# Altium PCB Mag256_9mm.PcbDoc (part 5 of 6)
Units mm, origin at the board's own origin, x right, y up, seen from the top; angles counter-clockwise.
Board outline 174.75 x 142 mm, 6 copper layers (L1 (SIG), L2 (GND), L3 (SIG), L4 (GND), L5 (PWR), L6 (SIG)), stack 1.597 mm thick; 756 components, 438 nets, 2517 pads, 2145 vias.
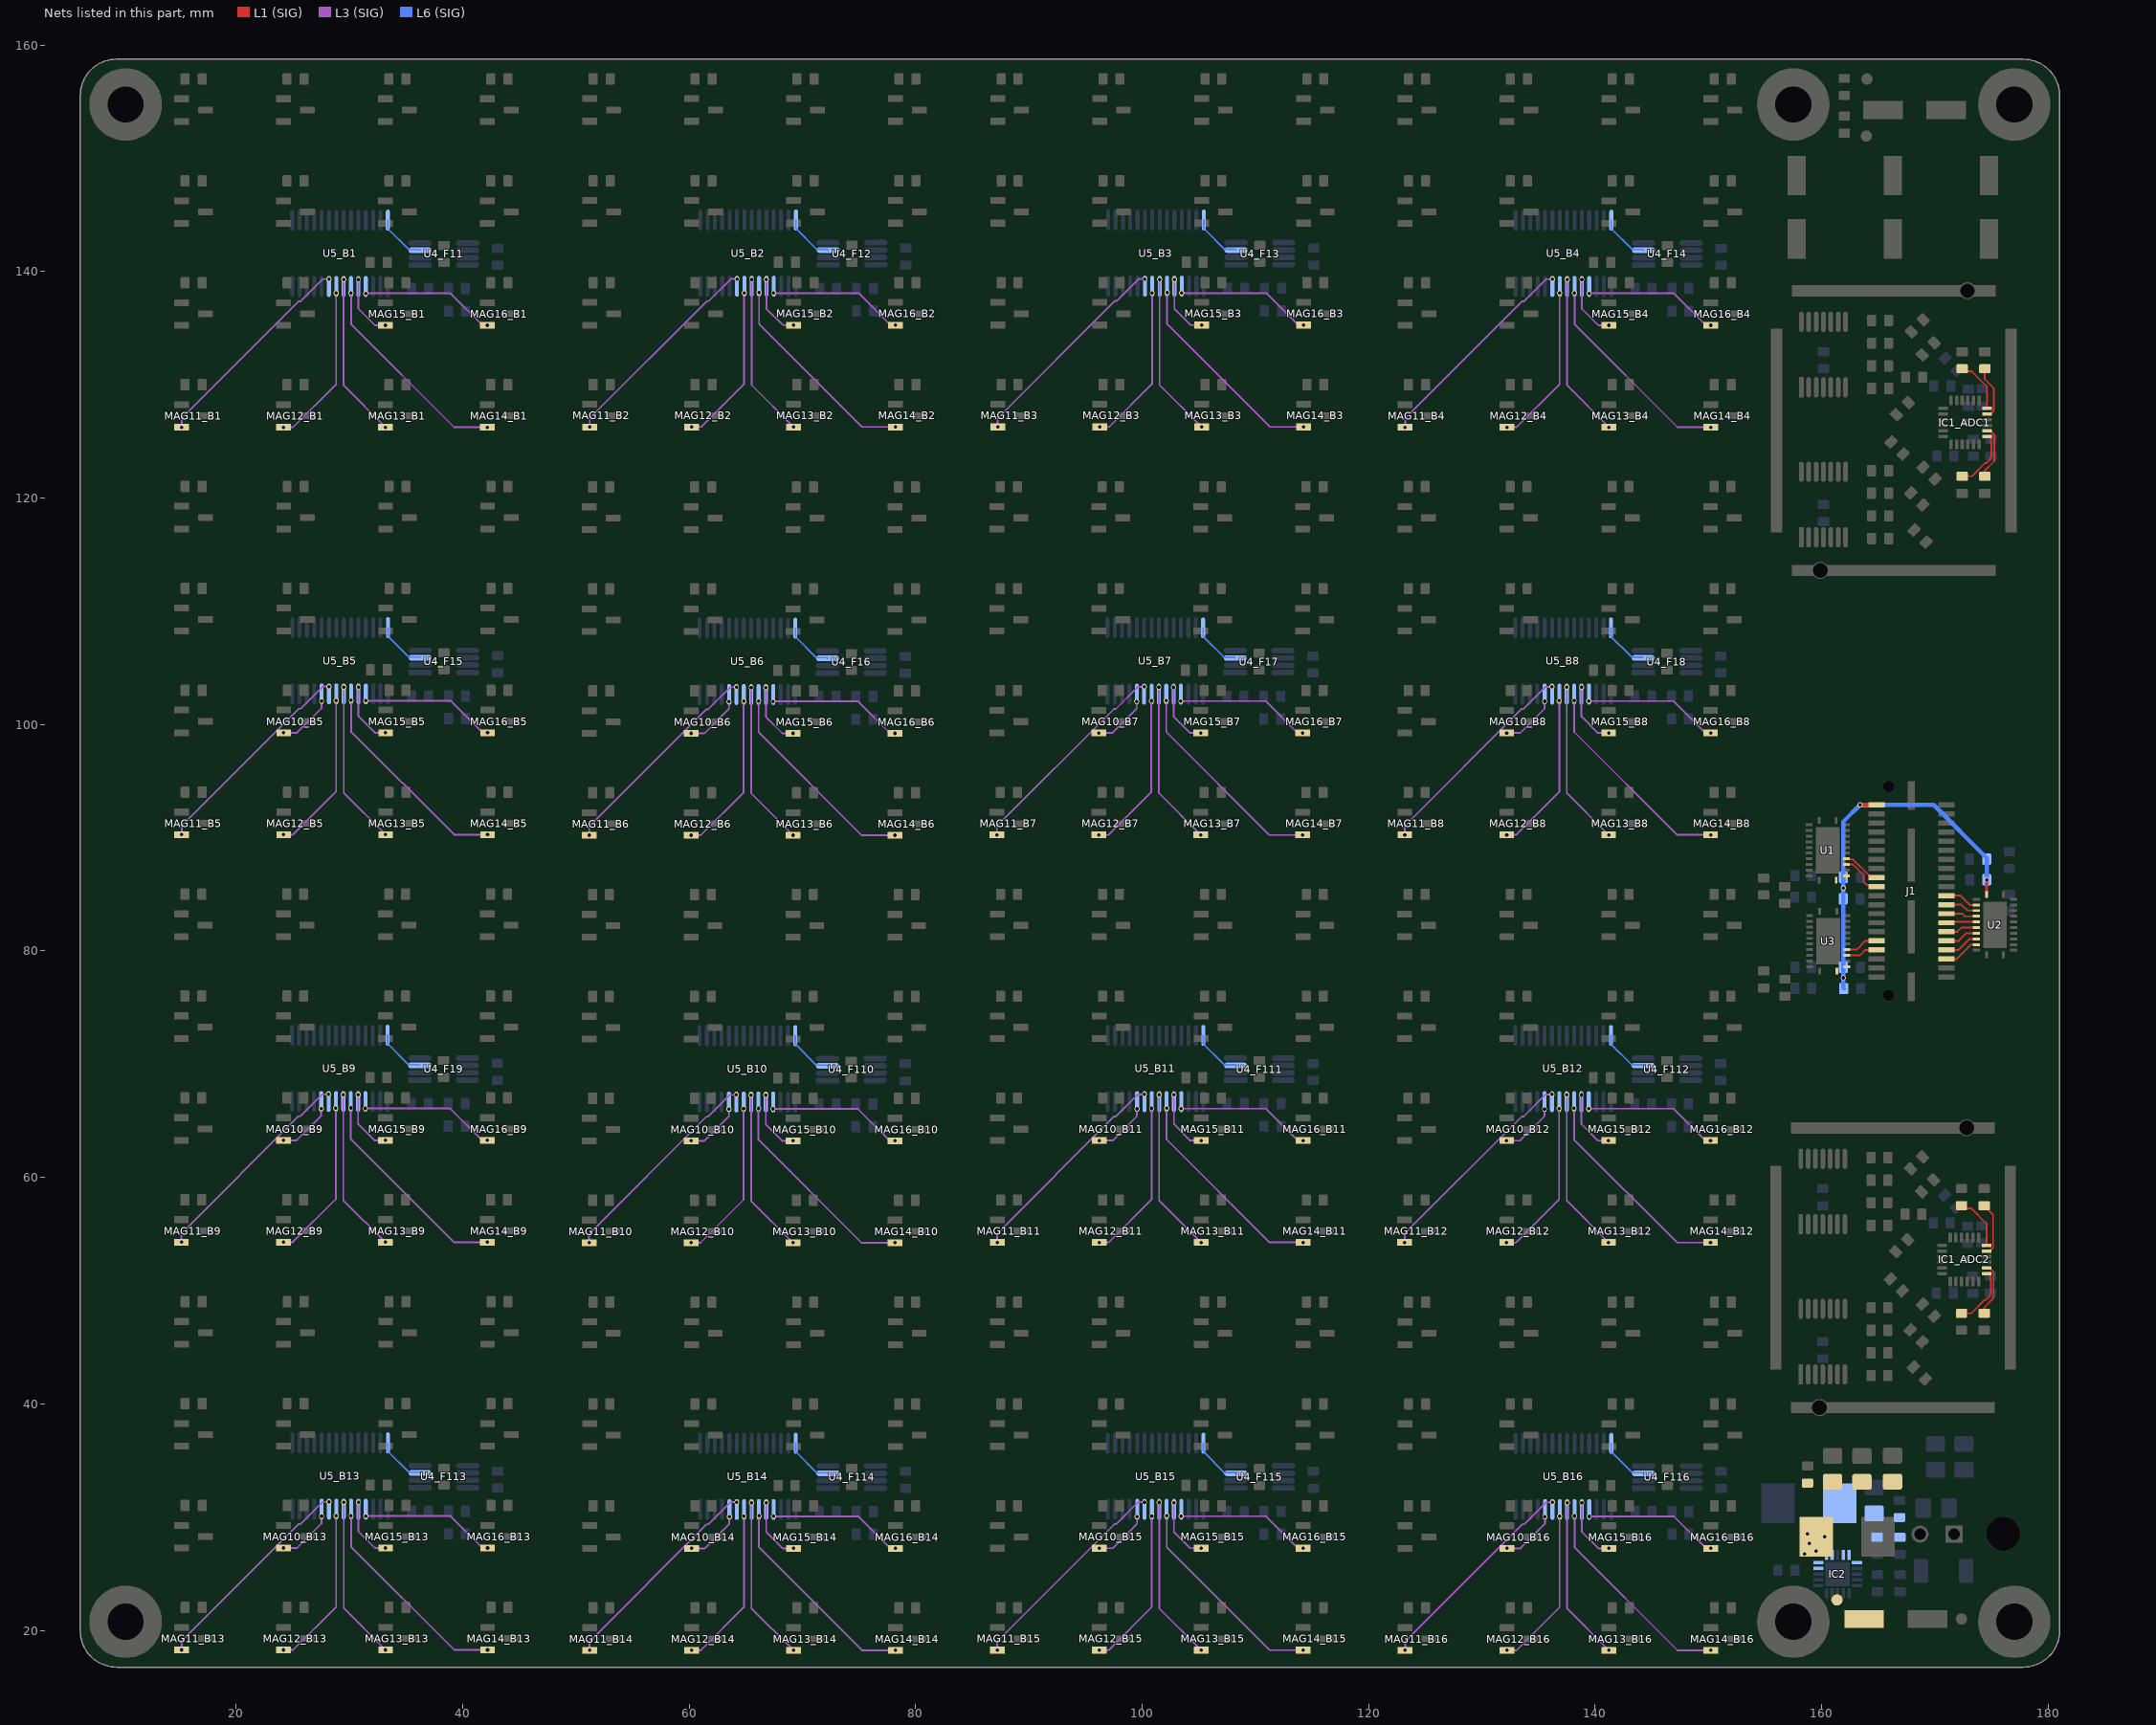
[diagram p9: the nets of this part, all layers, seen from the top]

## Via types
v1: diameter 0.45, hole 0.3, L1 (SIG) to L6 (SIG), 2060 vias
v2: diameter 0.5, hole 0.3, L1 (SIG) to L6 (SIG), 85 vias

## Nets (pads, with @x,y where several pads share a name; then routed paths per layer and width w, separated by ;. In a path a pad name is that pad's centre, name@x,y a point inside that pad or via, vN(x,y) a via of type N, cw(c..) or ccw(c..) an arc to the next point about the centre after c; other vN are vias at no path point) (continued)
S10_B5: MAG10_B5.2 U5_B5.10 | length 4.9
  L3 (SIG) w0.152: v1(24.206,99.27) 25.385,99.27 27.547,101.432 v1(27.547,102.066)
S10_B6: MAG10_B6.2 U5_B6.10 | length 4.9
  L3 (SIG) w0.152: v1(60.183,99.215) 61.362,99.215 63.524,101.377 v1(63.524,102.011)
S10_B7: MAG10_B7.2 U5_B7.10 | length 4.9
  L3 (SIG) w0.152: v1(96.179,99.246) 97.358,99.246 99.52,101.409 v1(99.52,102.042)
S10_B8: MAG10_B8.2 U5_B8.10 | length 4.9
  L3 (SIG) w0.152: v1(132.192,99.251) 133.37,99.251 135.532,101.413 v1(135.532,102.047)
S10_B9: MAG10_B9.2 U5_B9.10 | length 4.9
  L3 (SIG) w0.152: v1(24.173,63.27) 25.352,63.27 27.514,65.432 v1(27.514,66.066)
S10_B10: MAG10_B10.2 U5_B10.10 | length 4.9
  L3 (SIG) w0.152: v1(60.174,63.227) 61.353,63.227 63.515,65.389 v1(63.515,66.023)
S10_B11: MAG10_B11.2 U5_B11.10 | length 4.9
  L3 (SIG) w0.152: v1(96.205,63.257) 97.384,63.257 99.546,65.419 v1(99.546,66.052)
S10_B12: MAG10_B12.2 U5_B12.10 | length 4.9
  L3 (SIG) w0.152: v1(132.186,63.251) 133.365,63.251 135.527,65.413 v1(135.527,66.046)
S10_B13: MAG10_B13.2 U5_B13.10 | length 4.9
  L3 (SIG) w0.152: v1(24.205,27.271) 25.384,27.271 27.546,29.433 v1(27.546,30.067)
S10_B14: MAG10_B14.2 U5_B14.10 | length 4.9
  L3 (SIG) w0.152: v1(60.212,27.241) 61.39,27.241 63.553,29.403 v1(63.553,30.037)
S10_B15: MAG10_B15.2 U5_B15.10 | length 4.9
  L3 (SIG) w0.152: v1(96.211,27.249) 97.389,27.249 99.552,29.411 v1(99.552,30.045)
S10_B16: MAG10_B16.2 U5_B16.10 | length 4.9
  L3 (SIG) w0.152: v1(132.224,27.234) 133.403,27.234 135.565,29.396 v1(135.565,30.03)
S11_B1: MAG11_B1.2 U5_B1.9 | length 18.9
  L3 (SIG) w0.152: v1(15.2,126.25) 15.2,127.035 25.539,137.374 25.696,137.374 27.647,139.325 v1(28.198,139.325)
S11_B2: MAG11_B2.2 U5_B2.9 | length 18.9
  L3 (SIG) w0.152: v1(51.229,126.268) 51.229,127.053 61.567,137.392 61.724,137.392 63.675,139.342 v1(64.227,139.342)
S11_B3: MAG11_B3.2 U5_B3.9 | length 18.9
  L3 (SIG) w0.152: v1(87.248,126.27) 87.248,127.055 97.586,137.393 97.743,137.393 99.694,139.344 v1(100.246,139.344)
S11_B4: MAG11_B4.2 U5_B4.9 | length 18.9
  L3 (SIG) w0.152: v1(123.223,126.25) 123.223,127.035 133.562,137.374 133.719,137.374 135.67,139.325 v1(136.221,139.325)
S11_B5: MAG11_B5.2 U5_B5.9 | length 18.9
  L3 (SIG) w0.152: v1(15.206,90.27) 15.206,91.055 25.545,101.394 25.702,101.394 27.653,103.345 v1(28.204,103.345)
S11_B6: MAG11_B6.2 U5_B6.9 | length 18.9
  L3 (SIG) w0.152: v1(51.183,90.215) 51.183,91 61.522,101.339 61.679,101.339 63.63,103.29 v1(64.181,103.29)
S11_B7: MAG11_B7.2 U5_B7.9 | length 18.9
  L3 (SIG) w0.152: v1(87.179,90.246) 87.179,91.032 97.518,101.37 97.675,101.37 99.626,103.321 v1(100.177,103.321)
S11_B8: MAG11_B8.2 U5_B8.9 | length 18.9
  L3 (SIG) w0.152: v1(123.192,90.251) 123.192,91.036 133.53,101.375 133.687,101.375 135.638,103.326 v1(136.19,103.326)
S11_B9: MAG11_B9.2 U5_B9.9 | length 18.9
  L3 (SIG) w0.152: v1(15.173,54.27) 15.173,55.055 25.512,65.394 25.669,65.394 27.62,67.345 v1(28.171,67.345)
S11_B10: MAG11_B10.2 U5_B10.9 | length 18.9
  L3 (SIG) w0.152: v1(51.174,54.227) 51.174,55.012 61.513,65.351 61.67,65.351 63.621,67.302 v1(64.172,67.302)
S11_B11: MAG11_B11.2 U5_B11.9 | length 18.9
  L3 (SIG) w0.152: v1(87.205,54.257) 87.205,55.042 97.544,65.381 97.701,65.381 99.652,67.331 v1(100.203,67.331)
S11_B12: MAG11_B12.2 U5_B12.9 | length 18.9
  L3 (SIG) w0.152: v1(123.186,54.251) 123.186,55.036 133.525,65.374 133.682,65.374 135.633,67.325 v1(136.184,67.325)
S11_B13: MAG11_B13.2 U5_B13.9 | length 18.9
  L3 (SIG) w0.152: v1(15.205,18.271) 15.205,19.056 25.544,29.395 25.701,29.395 27.652,31.346 v1(28.203,31.346)
S11_B14: MAG11_B14.2 U5_B14.9 | length 18.9
  L3 (SIG) w0.152: v1(51.212,18.241) 51.212,19.026 61.55,29.365 61.707,29.365 63.658,31.315 v1(64.21,31.315)
S11_B15: MAG11_B15.2 U5_B15.9 | length 18.9
  L3 (SIG) w0.152: v1(87.211,18.249) 87.211,19.034 97.549,29.373 97.706,29.373 99.657,31.324 v1(100.209,31.324)
S11_B16: MAG11_B16.2 U5_B16.9 | length 18.9
  L3 (SIG) w0.152: v1(123.224,18.234) 123.224,19.019 133.563,29.358 133.72,29.358 135.671,31.308 v1(136.222,31.308)
S12_B1: MAG12_B1.2 U5_B1.8 | length 14.2
  L3 (SIG) w0.152: v1(24.2,126.25) 25.035,126.25 28.833,130.048 v1(28.833,138.09)
S12_B2: MAG12_B2.2 U5_B2.8 | length 14.2
  L3 (SIG) w0.152: v1(60.229,126.268) 61.064,126.268 64.862,130.066 v1(64.862,138.108)
S12_B3: MAG12_B3.2 U5_B3.8 | length 14.2
  L3 (SIG) w0.152: v1(96.248,126.27) 97.083,126.27 100.881,130.067 v1(100.881,138.11)
S12_B4: MAG12_B4.2 U5_B4.8 | length 14.2
  L3 (SIG) w0.152: v1(132.223,126.25) 133.058,126.25 136.856,130.048 v1(136.856,138.09)
S12_B5: MAG12_B5.2 U5_B5.8 | length 14.2
  L3 (SIG) w0.152: v1(24.206,90.27) 25.041,90.27 28.839,94.068 v1(28.839,102.11)
S12_B6: MAG12_B6.2 U5_B6.8 | length 14.2
  L3 (SIG) w0.152: v1(60.183,90.215) 61.019,90.215 64.817,94.013 v1(64.817,102.055)
S12_B7: MAG12_B7.2 U5_B7.8 | length 14.2
  L3 (SIG) w0.152: v1(96.179,90.246) 97.014,90.246 100.812,94.044 v1(100.812,102.087)
S12_B8: MAG12_B8.2 U5_B8.8 | length 14.2
  L3 (SIG) w0.152: v1(132.192,90.251) 133.027,90.251 136.825,94.049 v1(136.825,102.091)
S12_B9: MAG12_B9.2 U5_B9.8 | length 14.2
  L3 (SIG) w0.152: v1(24.173,54.27) 25.008,54.27 28.806,58.068 v1(28.806,66.11)
S12_B10: MAG12_B10.2 U5_B10.8 | length 14.2
  L3 (SIG) w0.152: v1(60.174,54.227) 61.009,54.227 64.807,58.025 v1(64.807,66.067)
S12_B11: MAG12_B11.2 U5_B11.8 | length 14.2
  L3 (SIG) w0.152: v1(96.205,54.257) 97.04,54.257 100.838,58.055 v1(100.838,66.097)
S12_B12: MAG12_B12.2 U5_B12.8 | length 14.2
  L3 (SIG) w0.152: v1(132.186,54.251) 133.021,54.251 136.819,58.048 v1(136.819,66.091)
S12_B13: MAG12_B13.2 U5_B13.8 | length 14.2
  L3 (SIG) w0.152: v1(24.205,18.271) 25.04,18.271 28.838,22.069 v1(28.838,30.111)
S12_B14: MAG12_B14.2 U5_B14.8 | length 14.2
  L3 (SIG) w0.152: v1(60.212,18.241) 61.047,18.241 64.845,22.039 v1(64.845,30.081)
S12_B15: MAG12_B15.2 U5_B15.8 | length 14.2
  L3 (SIG) w0.152: v1(96.211,18.249) 97.046,18.249 100.844,22.047 v1(100.844,30.089)
S12_B16: MAG12_B16.2 U5_B16.8 | length 14.2
  L3 (SIG) w0.152: v1(132.224,18.234) 133.059,18.234 136.857,22.032 v1(136.857,30.074)
S13_B1: MAG13_B1.2 U5_B1.7 | length 14.6
  L3 (SIG) w0.152: v1(29.499,139.285) 29.499,129.951 v1(33.2,126.25)
S13_B2: MAG13_B2.2 U5_B2.7 | length 14.6
  L3 (SIG) w0.152: v1(65.528,139.302) 65.528,129.968 v1(69.229,126.268)
S13_B3: MAG13_B3.2 U5_B3.7 | length 14.6
  L3 (SIG) w0.152: v1(101.547,139.304) 101.547,129.97 v1(105.248,126.27)
S13_B4: MAG13_B4.2 U5_B4.7 | length 14.6
  L3 (SIG) w0.152: v1(137.522,139.285) 137.522,129.951 v1(141.223,126.25)
S13_B5: MAG13_B5.2 U5_B5.7 | length 14.6
  L3 (SIG) w0.152: v1(29.505,103.305) 29.505,93.971 v1(33.206,90.27)
S13_B6: MAG13_B6.2 U5_B6.7 | length 14.6
  L3 (SIG) w0.152: v1(65.483,103.25) 65.483,93.916 v1(69.183,90.215)
S13_B7: MAG13_B7.2 U5_B7.7 | length 14.6
  L3 (SIG) w0.152: v1(101.478,103.281) 101.478,93.947 v1(105.179,90.246)
S13_B8: MAG13_B8.2 U5_B8.7 | length 14.6
  L3 (SIG) w0.152: v1(137.491,103.286) 137.491,93.952 v1(141.192,90.251)
S13_B9: MAG13_B9.2 U5_B9.7 | length 14.6
  L3 (SIG) w0.152: v1(29.472,67.305) 29.472,57.971 v1(33.173,54.27)
S13_B10: MAG13_B10.2 U5_B10.7 | length 14.6
  L3 (SIG) w0.152: v1(65.473,67.262) 65.473,57.928 v1(69.174,54.227)
S13_B11: MAG13_B11.2 U5_B11.7 | length 14.6
  L3 (SIG) w0.152: v1(101.504,67.291) 101.504,57.957 v1(105.205,54.257)
S13_B12: MAG13_B12.2 U5_B12.7 | length 14.6
  L3 (SIG) w0.152: v1(137.485,67.285) 137.485,57.951 v1(141.186,54.251)
S13_B13: MAG13_B13.2 U5_B13.7 | length 14.6
  L3 (SIG) w0.152: v1(29.504,31.306) 29.504,21.972 v1(33.205,18.271)
S13_B14: MAG13_B14.2 U5_B14.7 | length 14.6
  L3 (SIG) w0.152: v1(65.511,31.276) 65.511,21.942 v1(69.212,18.241)
S13_B15: MAG13_B15.2 U5_B15.7 | length 14.6
  L3 (SIG) w0.152: v1(101.51,31.284) 101.51,21.95 v1(105.211,18.249)
S13_B16: MAG13_B16.2 U5_B16.7 | length 14.6
  L3 (SIG) w0.152: v1(137.523,31.268) 137.523,21.935 v1(141.224,18.234)
S14_B1: MAG14_B1.2 U5_B1.6 | length 18.6
  L3 (SIG) w0.152: v1(30.156,138.117) 30.156,135.344 39.25,126.25 v1(42.2,126.25)
S14_B2: MAG14_B2.2 U5_B2.6 | length 18.6
  L3 (SIG) w0.152: v1(66.185,138.135) 66.185,135.361 75.279,126.268 v1(78.229,126.268)
S14_B3: MAG14_B3.2 U5_B3.6 | length 18.6
  L3 (SIG) w0.152: v1(102.204,138.136) 102.204,135.363 111.298,126.27 v1(114.248,126.27)
S14_B4: MAG14_B4.2 U5_B4.6 | length 18.6
  L3 (SIG) w0.152: v1(138.179,138.117) 138.179,135.344 147.273,126.25 v1(150.223,126.25)
S14_B5: MAG14_B5.2 U5_B5.6 | length 18.6
  L3 (SIG) w0.152: v1(30.162,102.137) 30.162,99.364 39.256,90.27 v1(42.206,90.27)
S14_B6: MAG14_B6.2 U5_B6.6 | length 18.6
  L3 (SIG) w0.152: v1(66.14,102.082) 66.14,99.309 75.233,90.215 v1(78.183,90.215)
S14_B7: MAG14_B7.2 U5_B7.6 | length 18.6
  L3 (SIG) w0.152: v1(102.135,102.113) 102.135,99.34 111.229,90.246 v1(114.179,90.246)
S14_B8: MAG14_B8.2 U5_B8.6 | length 18.6
  L3 (SIG) w0.152: v1(138.148,102.118) 138.148,99.345 147.242,90.251 v1(150.192,90.251)
S14_B9: MAG14_B9.2 U5_B9.6 | length 18.6
  L3 (SIG) w0.152: v1(30.129,66.137) 30.129,63.364 39.223,54.27 v1(42.173,54.27)
S14_B10: MAG14_B10.2 U5_B10.6 | length 18.6
  L3 (SIG) w0.152: v1(66.13,66.094) 66.13,63.321 75.224,54.227 v1(78.174,54.227)
S14_B11: MAG14_B11.2 U5_B11.6 | length 18.6
  L3 (SIG) w0.152: v1(102.162,66.124) 102.162,63.35 111.255,54.257 v1(114.205,54.257)
S14_B12: MAG14_B12.2 U5_B12.6 | length 18.6
  L3 (SIG) w0.152: v1(138.142,66.117) 138.142,63.344 147.236,54.251 v1(150.186,54.251)
S14_B13: MAG14_B13.2 U5_B13.6 | length 18.6
  L3 (SIG) w0.152: v1(30.161,30.138) 30.161,27.365 39.255,18.271 v1(42.205,18.271)
S14_B14: MAG14_B14.2 U5_B14.6 | length 18.6
  L3 (SIG) w0.152: v1(66.168,30.108) 66.168,27.334 75.262,18.241 v1(78.212,18.241)
S14_B15: MAG14_B15.2 U5_B15.6 | length 18.6
  L3 (SIG) w0.152: v1(102.167,30.116) 102.167,27.343 111.261,18.249 v1(114.211,18.249)
S14_B16: MAG14_B16.2 U5_B16.6 | length 18.6
  L3 (SIG) w0.152: v1(138.18,30.101) 138.18,27.327 147.274,18.234 v1(150.224,18.234)
S15_B1: MAG15_B1.2 U5_B1.5 | length 5.6
  L3 (SIG) w0.152: v1(30.799,139.276) 30.799,136.701 32.25,135.25 v1(33.2,135.25)
S15_B2: MAG15_B2.2 U5_B2.5 | length 5.6
  L3 (SIG) w0.152: v1(66.827,139.293) 66.827,136.719 68.279,135.268 v1(69.229,135.268)
S15_B3: MAG15_B3.2 U5_B3.5 | length 5.6
  L3 (SIG) w0.152: v1(102.846,139.295) 102.846,136.721 104.298,135.27 v1(105.248,135.27)
S15_B4: MAG15_B4.2 U5_B4.5 | length 5.6
  L3 (SIG) w0.152: v1(138.822,139.276) 138.822,136.701 140.273,135.25 v1(141.223,135.25)
S15_B5: MAG15_B5.2 U5_B5.5 | length 5.6
  L3 (SIG) w0.152: v1(30.805,103.296) 30.805,100.721 32.256,99.27 v1(33.206,99.27)
S15_B6: MAG15_B6.2 U5_B6.5 | length 5.6
  L3 (SIG) w0.152: v1(66.782,103.241) 66.782,100.666 68.233,99.215 v1(69.183,99.215)
S15_B7: MAG15_B7.2 U5_B7.5 | length 5.6
  L3 (SIG) w0.152: v1(102.778,103.272) 102.778,100.698 104.229,99.246 v1(105.179,99.246)
S15_B8: MAG15_B8.2 U5_B8.5 | length 5.6
  L3 (SIG) w0.152: v1(138.79,103.277) 138.79,100.702 140.242,99.251 v1(141.192,99.251)
S15_B9: MAG15_B9.2 U5_B9.5 | length 5.6
  L3 (SIG) w0.152: v1(30.772,67.296) 30.772,64.721 32.223,63.27 v1(33.173,63.27)
S15_B10: MAG15_B10.2 U5_B10.5 | length 5.6
  L3 (SIG) w0.152: v1(66.773,67.253) 66.773,64.678 68.224,63.227 v1(69.174,63.227)
S15_B11: MAG15_B11.2 U5_B11.5 | length 5.6
  L3 (SIG) w0.152: v1(102.804,67.282) 102.804,64.708 104.255,63.257 v1(105.205,63.257)
S15_B12: MAG15_B12.2 U5_B12.5 | length 5.6
  L3 (SIG) w0.152: v1(138.785,67.276) 138.785,64.702 140.236,63.251 v1(141.186,63.251)
S15_B13: MAG15_B13.2 U5_B13.5 | length 5.6
  L3 (SIG) w0.152: v1(30.804,31.297) 30.804,28.722 32.255,27.271 v1(33.205,27.271)
S15_B14: MAG15_B14.2 U5_B14.5 | length 5.6
  L3 (SIG) w0.152: v1(66.811,31.266) 66.811,28.692 68.262,27.241 v1(69.212,27.241)
S15_B15: MAG15_B15.2 U5_B15.5 | length 5.6
  L3 (SIG) w0.152: v1(102.81,31.274) 102.81,28.7 104.261,27.249 v1(105.211,27.249)
S15_B16: MAG15_B16.2 U5_B16.5 | length 5.6
  L3 (SIG) w0.152: v1(138.823,31.259) 138.823,28.685 140.274,27.234 v1(141.224,27.234)
S16_B1: MAG16_B1.2 U5_B1.4 | length 11.9
  L3 (SIG) w0.152: v1(31.438,138.074) 38.926,138.074 41.75,135.25 v1(42.2,135.25)
S16_B2: MAG16_B2.2 U5_B2.4 | length 11.9
  L3 (SIG) w0.152: v1(67.466,138.091) 74.955,138.091 77.779,135.268 v1(78.229,135.268)
S16_B3: MAG16_B3.2 U5_B3.4 | length 11.9
  L3 (SIG) w0.152: v1(103.485,138.093) 110.974,138.093 113.798,135.27 v1(114.248,135.27)
S16_B4: MAG16_B4.2 U5_B4.4 | length 11.9
  L3 (SIG) w0.152: v1(139.461,138.074) 146.949,138.074 149.773,135.25 v1(150.223,135.25)
S16_B5: MAG16_B5.2 U5_B5.4 | length 11.9
  L3 (SIG) w0.152: v1(31.444,102.094) 38.932,102.094 41.756,99.27 v1(42.206,99.27)
S16_B6: MAG16_B6.2 U5_B6.4 | length 11.9
  L3 (SIG) w0.152: v1(67.421,102.039) 74.91,102.039 77.733,99.215 v1(78.183,99.215)
S16_B7: MAG16_B7.2 U5_B7.4 | length 11.9
  L3 (SIG) w0.152: v1(103.417,102.07) 110.905,102.07 113.729,99.246 v1(114.179,99.246)
S16_B8: MAG16_B8.2 U5_B8.4 | length 11.9
  L3 (SIG) w0.152: v1(139.429,102.075) 146.918,102.075 149.742,99.251 v1(150.192,99.251)
S16_B9: MAG16_B9.2 U5_B9.4 | length 11.9
  L3 (SIG) w0.152: v1(31.411,66.094) 38.899,66.094 41.723,63.27 v1(42.173,63.27)
S16_B10: MAG16_B10.2 U5_B10.4 | length 11.9
  L3 (SIG) w0.152: v1(67.412,66.051) 74.9,66.051 77.724,63.227 v1(78.174,63.227)
S16_B11: MAG16_B11.2 U5_B11.4 | length 11.9
  L3 (SIG) w0.152: v1(103.443,66.08) 110.931,66.08 113.755,63.257 v1(114.205,63.257)
S16_B12: MAG16_B12.2 U5_B12.4 | length 11.9
  L3 (SIG) w0.152: v1(139.424,66.074) 146.912,66.074 149.736,63.251 v1(150.186,63.251)
S16_B13: MAG16_B13.2 U5_B13.4 | length 11.9
  L3 (SIG) w0.152: v1(31.443,30.095) 38.931,30.095 41.755,27.271 v1(42.205,27.271)
S16_B14: MAG16_B14.2 U5_B14.4 | length 11.9
  L3 (SIG) w0.152: v1(67.449,30.065) 74.938,30.065 77.762,27.241 v1(78.212,27.241)
S16_B15: MAG16_B15.2 U5_B15.4 | length 11.9
  L3 (SIG) w0.152: v1(103.448,30.073) 110.937,30.073 113.761,27.249 v1(114.211,27.249)
S16_B16: MAG16_B16.2 U5_B16.4 | length 11.9
  L3 (SIG) w0.152: v1(139.462,30.057) 146.95,30.057 149.774,27.234 v1(150.224,27.234)
S_OUT_B1: U4_F11.3 U5_B1.28 | length 4.4
  L6 (SIG) w0.152: U5_B1.28@33.401,144.533 33.401,143.783 35.243,141.942 36.183,141.942 U4_F11.3@36.25,141.875
S_OUT_B2: U4_F12.3 U5_B2.28 | length 4.4
  L6 (SIG) w0.152: U5_B2.28@69.43,144.551 69.43,143.801 71.272,141.959 72.212,141.959 U4_F12.3@72.278,141.893
S_OUT_B3: U4_F13.3 U5_B3.28 | length 4.4
  L6 (SIG) w0.152: U5_B3.28@105.449,144.552 105.449,143.802 107.291,141.961 108.231,141.961 U4_F13.3@108.297,141.895
S_OUT_B4: U4_F14.3 U5_B4.28 | length 4.4
  L6 (SIG) w0.152: U5_B4.28@141.424,144.533 141.424,143.783 143.266,141.942 144.206,141.942 U4_F14.3@144.273,141.875
S_OUT_B5: U4_F15.3 U5_B5.28 | length 4.4
  L6 (SIG) w0.152: U5_B5.28@33.407,108.553 33.407,107.803 35.249,105.962 36.189,105.962 U4_F15.3@36.256,105.895
S_OUT_B6: U4_F16.3 U5_B6.28 | length 4.4
  L6 (SIG) w0.152: U5_B6.28@69.385,108.498 69.385,107.748 71.226,105.907 72.167,105.907 U4_F16.3@72.233,105.84
S_OUT_B7: U4_F17.3 U5_B7.28 | length 4.4
  L6 (SIG) w0.152: U5_B7.28@105.381,108.529 105.381,107.779 107.222,105.938 108.162,105.938 U4_F17.3@108.229,105.871
S_OUT_B8: U4_F18.3 U5_B8.28 | length 4.4
  L6 (SIG) w0.152: U5_B8.28@141.393,108.534 141.393,107.784 143.235,105.942 144.175,105.942 U4_F18.3@144.241,105.876
S_OUT_B9: U4_F19.3 U5_B9.28 | length 4.4
  L6 (SIG) w0.152: U5_B9.28@33.374,72.553 33.374,71.803 35.216,69.962 36.156,69.962 U4_F19.3@36.223,69.895
S_OUT_B10: U4_F110.3 U5_B10.28 | length 4.4
  L6 (SIG) w0.152: U5_B10.28@69.375,72.51 69.375,71.76 71.217,69.919 72.157,69.919 U4_F110.3@72.224,69.852
S_OUT_B11: U4_F111.3 U5_B11.28 | length 4.4
  L6 (SIG) w0.152: U5_B11.28@105.407,72.54 105.407,71.79 107.248,69.948 108.188,69.948 U4_F111.3@108.255,69.882
S_OUT_B12: U4_F112.3 U5_B12.28 | length 4.4
  L6 (SIG) w0.152: U5_B12.28@141.387,72.534 141.387,71.784 143.229,69.942 144.169,69.942 U4_F112.3@144.236,69.876
S_OUT_B13: U4_F113.3 U5_B13.28 | length 4.4
  L6 (SIG) w0.152: U5_B13.28@33.406,36.554 33.406,35.804 35.248,33.963 36.188,33.963 U4_F113.3@36.255,33.896
S_OUT_B14: U4_F114.3 U5_B14.28 | length 4.4
  L6 (SIG) w0.152: U5_B14.28@69.413,36.524 69.413,35.774 71.255,33.932 72.195,33.932 U4_F114.3@72.261,33.866
S_OUT_B15: U4_F115.3 U5_B15.28 | length 4.4
  L6 (SIG) w0.152: U5_B15.28@105.412,36.532 105.412,35.782 107.254,33.94 108.194,33.94 U4_F115.3@108.26,33.874
S_OUT_B16: U4_F116.3 U5_B16.28 | length 4.4
  L6 (SIG) w0.152: U5_B16.28@141.426,36.517 141.426,35.767 143.267,33.925 144.207,33.925 U4_F116.3@144.274,33.859
"SCLKa Out": J1.23 U1.5 | length 3.4
  L1 (SIG) w0.152: U1.5@162.176,88.137 162.224,88.088 162.77,88.088 164.187,86.671 164.187,86.642 164.682,86.642 J1.23@164.836,86.488
"SCLKb Out": J1.9 U3.5 | length 2.9
  L1 (SIG) w0.152: U3.5@162.226,80.112 163.08,80.112 163.856,80.888 J1.9@164.836,80.888
"SDIa Out": J1.21 U1.4 | length 3.8
  L1 (SIG) w0.152: U1.4@162.176,87.637 162.771,87.637 163.699,86.708 163.699,86.113 164.016,85.797 164.727,85.797 J1.21@164.836,85.688
"SDIb Out": J1.7 U3.4 | length 2.8
  L1 (SIG) w0.152: U3.4@162.226,79.612 163.382,79.612 163.858,80.087 J1.7@164.836,80.087
SDOA_k_ADC1: IC1_ADC1.19 R4_ADC1.2 | length 5.5
  L1 (SIG) w0.152: R4_ADC1.2@172.406,121.919 173.265,121.919 174.435,123.089 174.561,123.089 174.886,123.414 174.886,123.54 174.997,123.65 174.997,124.792 174.955,124.834 174.955,125.345 174.881,125.419 IC1_ADC1.19@174.606,125.419
SDOA_k_ADC2: IC1_ADC2.19 R4_ADC2.2 | length 5.5
  L1 (SIG) w0.152: R4_ADC2.2@172.35,48 173.209,48 174.379,49.17 174.505,49.17 174.83,49.495 174.83,49.621 174.941,49.732 174.941,50.874 174.899,50.916 174.899,51.426 174.825,51.5 IC1_ADC2.19@174.55,51.5
"SDOAa Out": J1.20 U2.3 | length 3
  L1 (SIG) w0.152: J1.20@171.016,84.888 172.249,84.888 173.076,84.062 U2.3@173.651,84.062
"SDOAb Out": J1.12 U2.7 | length 2.8
  L1 (SIG) w0.152: J1.12@171.016,81.688 171.976,81.688 172.351,82.062 U2.7@173.651,82.062
SDOB_k_ADC1: IC1_ADC1.20 R2_ADC1.2 | length 4.8
  L1 (SIG) w0.152: R2_ADC1.2@174.406,121.919 174.406,122.419 175.238,123.251 175.238,125.595 175.1,125.734 175.066,125.734 174.881,125.919 IC1_ADC1.20@174.606,125.919
SDOB_k_ADC2: IC1_ADC2.20 R2_ADC2.2 | length 4.8
  L1 (SIG) w0.152: R2_ADC2.2@174.35,48 174.35,48.5 175.182,49.332 175.182,51.676 175.043,51.815 175.01,51.815 174.825,52 IC1_ADC2.20@174.55,52
"SDOBa Out": J1.18 U2.4 | length 2.9
  L1 (SIG) w0.152: J1.18@171.016,84.088 172.35,84.088 172.876,83.562 U2.4@173.651,83.562
"SDOBb Out": J1.10 U2.8 | length 2.9
  L1 (SIG) w0.152: J1.10@171.016,80.888 172.102,80.888 172.776,81.562 U2.8@173.651,81.562
SDOC_k_ADC1: IC1_ADC1.23 R1_ADC1.1 | length 4.8
  L1 (SIG) w0.152: R1_ADC1.1@174.406,131.419 174.406,130.478 175.196,129.688 175.196,127.7 175.1,127.604 175.066,127.604 174.881,127.419 IC1_ADC1.23@174.606,127.419
SDOC_k_ADC2: IC1_ADC2.23 R1_ADC2.1 | length 4.8
  L1 (SIG) w0.152: R1_ADC2.1@174.35,57.5 174.437,57.5 174.759,57.178 174.759,57.091 175.14,56.71 175.14,53.782 175.043,53.685 175.01,53.685 174.825,53.5 IC1_ADC2.23@174.55,53.5
"SDOCa Out": J1.16 U2.5 | length 2.7
  L1 (SIG) w0.152: J1.16@171.016,83.288 172.425,83.288 172.651,83.062 U2.5@173.651,83.062
"SDOCb Out": J1.8 U2.9 | length 3
  L1 (SIG) w0.152: J1.8@171.016,80.087 172.078,80.087 173.052,81.062 U2.9@173.651,81.062
SDOD_k_ADC1: IC1_ADC1.24 R3_ADC1.1 | length 4.8
  L1 (SIG) w0.152: R3_ADC1.1@172.406,131.419 172.63,131.195 173.241,131.195 174.606,129.829 IC1_ADC1.24@174.606,127.919
SDOD_k_ADC2: IC1_ADC2.24 R3_ADC2.1 | length 4.8
  L1 (SIG) w0.152: R3_ADC2.1@172.35,57.5 172.574,57.276 173.184,57.276 174.55,55.911 IC1_ADC2.24@174.55,54
"SDODa Out": J1.14 U2.6 | length 2.7
  L1 (SIG) w0.152: J1.14@171.016,82.488 171.09,82.562 U2.6@173.651,82.562
"SDODb Out": J1.6 U2.10 | length 3.2
  L1 (SIG) w0.152: J1.6@171.016,79.287 171.912,79.287 173.186,80.562 U2.10@173.651,80.562
VCC: C38.2 C41.1 C42.2 C43.2 C44.2 IC2.14 IC2.15 IC2.16 IC2.17 L1.2 TP1.1
  other v1: 158.5,26.75 159.5,27 158.893,27.665 160.25,28.25 158.75,28.5
VIO: C25.2 C26.2 C29.2 C30.2 C33.2 C34.2 J1.39 U1.1 U1.2 U2.1 U3.1 U3.2 | length 34.7
  L1 (SIG) w0.152: J1.39@164.834,92.887 J1.39@164.836,92.889 ; U2.1@174.551,84.962 U2.1@174.559,84.97 ; v1@174.559,86.278 v1(174.568,86.286)